# Altium PCB openservo_tessellated.PcbDoc (part 8 of 13)
Units mm, origin at the board's own origin, x right, y up, seen from the top; angles counter-clockwise.
Board outline 225 x 202.5 mm, 2 copper layers (Top Layer, Bottom Layer); 1250 components, 19 nets, 5300 pads, 1100 vias.
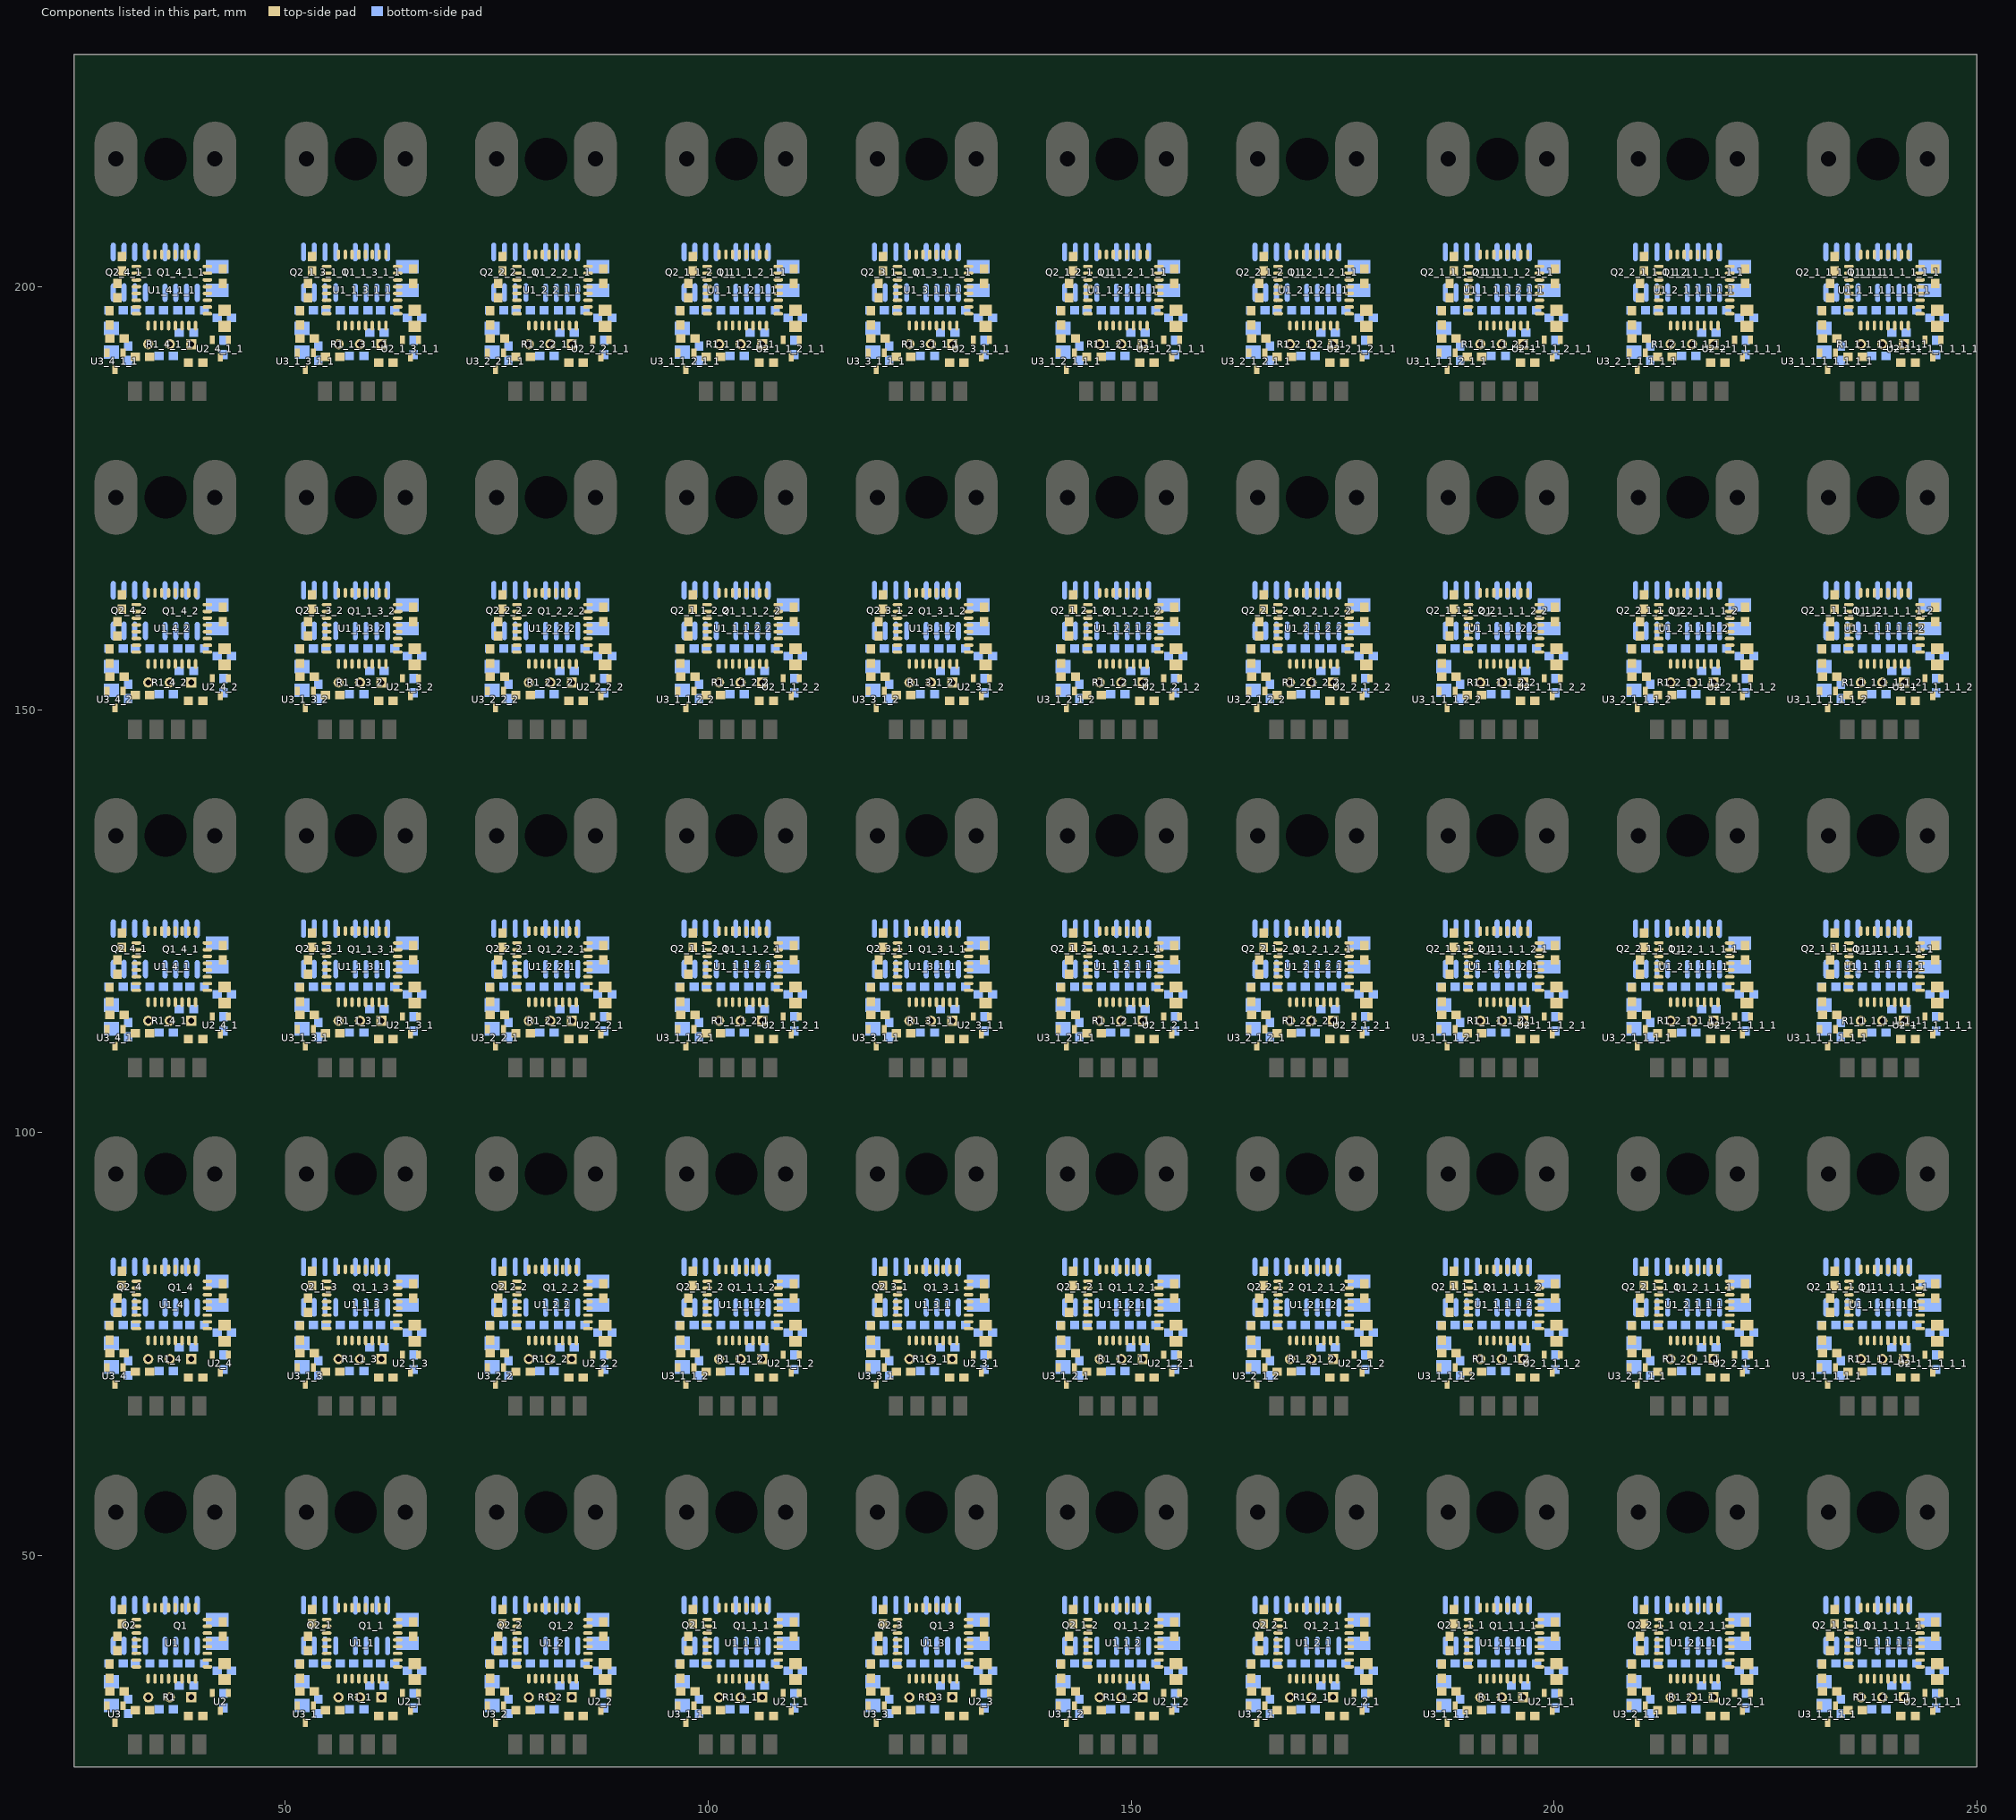
[diagram p8: the components of this part, seen from the top]

## Via types
v1: diameter 0.762, hole 0.35, Top Layer to Bottom Layer, 1000 vias
v2: diameter 1.27, hole 0.7, Top Layer to Bottom Layer, 100 vias

## Nets (pads, with @x,y where several pads share a name; then routed paths per layer and width w, separated by ;. In a path a pad name is that pad's centre, name@x,y a point inside that pad or via, vN(x,y) a via of type N, cw(c..) or ccw(c..) an arc to the next point about the centre after c; other vN are vias at no path point) (continued)
copper on no net: (continued)
  Top Layer w0.254: 194.476,75.424 194.476,74.779 194.733,74.522 197.171,74.522 197.72,73.973 197.72,71.039 197.72,70.062 198.521,69.261 199.689,69.261 v1(200.553,70.124) ; 194.476,115.424 194.476,114.779 194.733,114.522 197.171,114.522 197.72,113.973 197.72,111.039 197.72,110.062 198.521,109.261 199.689,109.261 v1(200.553,110.124) ; 194.476,155.424 194.476,154.779 194.733,154.522 197.171,154.522 197.72,153.973 197.72,151.039 197.72,150.062 198.521,149.261 199.689,149.261 v1(200.553,150.124) ; 194.476,195.424 194.476,194.779 194.733,194.522 197.171,194.522 197.72,193.973 197.72,191.039 197.72,190.062 198.521,189.261 199.689,189.261 v1(200.553,190.124) ; 196.02,31.039 196.02,33.034 196.337,33.35 ; 196.02,71.039 196.02,73.034 196.337,73.35 ; 196.02,111.039 196.02,113.034 196.337,113.35 ; 196.02,151.039 196.02,153.034 196.337,153.35 ; 196.02,191.039 196.02,193.034 196.337,193.35 ; v1(198.038,35.585) 198.369,35.585 200.004,37.221 200.299,37.221 ; v1(198.038,75.585) 198.369,75.585 200.004,77.221 200.299,77.221 ; v1(198.038,115.585) 198.369,115.585 200.004,117.221 200.299,117.221 ; v1(198.038,155.585) 198.369,155.585 200.004,157.221 200.299,157.221 ; v1(198.038,195.585) 198.369,195.585 200.004,197.221 200.299,197.221 ; 198.244,40.056 198.276,40.024 196.895,40.024 ; 198.244,80.056 198.276,80.024 196.895,80.024 ; 198.244,120.056 198.276,120.024 196.895,120.024 ; 198.244,160.056 198.276,160.024 196.895,160.024 ; 198.244,200.056 198.276,200.024 196.895,200.024 ; 198.276,38.424 197.232,38.424 196.895,38.76 196.895,40.024 ; 198.276,39.224 200.28,39.224 ; 198.276,40.824 199.697,40.824 200.096,40.425 200.299,40.222 ; 198.276,78.424 197.232,78.424 196.895,78.76 196.895,80.024 ; 198.276,79.224 200.28,79.224 ; 198.276,80.824 199.697,80.824 200.096,80.425 200.299,80.222 ; 198.276,118.424 197.232,118.424 196.895,118.76 196.895,120.024 ; 198.276,119.224 200.28,119.224 ; 198.276,120.824 199.697,120.824 200.096,120.425 200.299,120.222 ; 198.276,158.424 197.232,158.424 196.895,158.76 196.895,160.024 ; 198.276,159.224 200.28,159.224 ; 198.276,160.824 199.697,160.824 200.096,160.425 200.299,160.222 ; 198.276,198.424 197.232,198.424 196.895,198.76 196.895,200.024 ; 198.276,199.224 200.28,199.224 ; 198.276,200.824 199.697,200.824 200.096,200.425 200.299,200.222 ; 199.054,55.016 199.156,55.118 ; 199.054,95.016 199.156,95.118 ; 199.054,135.016 199.156,135.118 ; 199.054,175.016 199.156,175.118 ; 199.054,215.016 199.156,215.118 ; 200.741,33.74 200.741,34.879 ; 200.741,73.74 200.741,74.879 ; 200.741,113.74 200.741,114.879 ; 200.741,153.74 200.741,154.879 ; 200.741,193.74 200.741,194.879 ; v1(201.417,43.866) 198.346,43.866 196.895,42.416 196.895,40.024 ; v1(201.417,83.866) 198.346,83.866 196.895,82.416 196.895,80.024 ; v1(201.417,123.866) 198.346,123.866 196.895,122.416 196.895,120.024 ; v1(201.417,163.866) 198.346,163.866 196.895,162.416 196.895,160.024 ; v1(201.417,203.866) 198.346,203.866 196.895,202.416 196.895,200.024 ; v1(207.813,43.764) 208.118,43.764 209.391,45.037 213.931,45.037 214.576,44.393 214.576,43.824 ; v1(207.813,83.764) 208.118,83.764 209.391,85.037 213.931,85.037 214.576,84.393 214.576,83.824 ; v1(207.813,123.764) 208.118,123.764 209.391,125.037 213.931,125.037 214.576,124.393 214.576,123.824 ; v1(207.813,163.764) 208.118,163.764 209.391,165.037 213.931,165.037 214.576,164.393 214.576,163.824 ; v1(207.813,203.764) 208.118,203.764 209.391,205.037 213.931,205.037 214.576,204.393 214.576,203.824 ; v1(208.854,41.935) 208.854,42.24 210.212,43.598 210.658,43.598 211.601,42.655 211.601,41.881 211.858,41.624 212.376,41.624 ; v1(208.854,81.935) 208.854,82.24 210.212,83.598 210.658,83.598 211.601,82.655 211.601,81.881 211.858,81.624 212.376,81.624 ; v1(208.854,121.935) 208.854,122.24 210.212,123.598 210.658,123.598 211.601,122.655 211.601,121.881 211.858,121.624 212.376,121.624 ; v1(208.854,161.935) 208.854,162.24 210.212,163.598 210.658,163.598 211.601,162.655 211.601,161.881 211.858,161.624 212.376,161.624 ; v1(208.854,201.935) 208.854,202.24 210.212,203.598 210.658,203.598 211.601,202.655 211.601,201.881 211.858,201.624 212.376,201.624 ; 209.21,35.472 209.503,35.472 211.655,37.624 212.376,37.624 ; 209.21,75.472 209.503,75.472 211.655,77.624 212.376,77.624 ; 209.21,115.472 209.503,115.472 211.655,117.624 212.376,117.624 ; 209.21,155.472 209.503,155.472 211.655,157.624 212.376,157.624 ; 209.21,195.472 209.503,195.472 211.655,197.624 212.376,197.624 ; 209.224,33.909 209.845,33.288 209.845,30.217 210.642,31.013 211.535,31.013 212.246,31.725 ; 209.224,73.909 209.845,73.288 209.845,70.217 210.642,71.013 211.535,71.013 212.246,71.725 ; 209.224,113.909 209.845,113.288 209.845,110.217 210.642,111.013 211.535,111.013 212.246,111.725 ; 209.224,153.909 209.845,153.288 209.845,150.217 210.642,151.013 211.535,151.013 212.246,151.725 ; 209.224,193.909 209.845,193.288 209.845,190.217 210.642,191.013 211.535,191.013 212.246,191.725 ; 209.513,35.624 211.076,34.061 ; 209.513,75.624 211.076,74.061 ; 209.513,115.624 211.076,114.061 ; 209.513,155.624 211.076,154.061 ; 209.513,195.624 211.076,194.061 ; 209.574,44.306 209.599,44.306 207.788,42.495 207.788,29.997 208.449,29.336 210.631,29.336 v1(210.963,29.667) ; 209.574,84.306 209.599,84.306 207.788,82.495 207.788,69.997 208.449,69.336 210.631,69.336 v1(210.963,69.667) ; 209.574,124.306 209.599,124.306 207.788,122.495 207.788,109.997 208.449,109.336 210.631,109.336 v1(210.963,109.667) ; 209.574,164.306 209.599,164.306 207.788,162.495 207.788,149.997 208.449,149.336 210.631,149.336 v1(210.963,149.667) ; 209.574,204.306 209.599,204.306 207.788,202.495 207.788,189.997 208.449,189.336 210.631,189.336 v1(210.963,189.667) ; 209.599,44.306 209.822,44.529 213.071,44.529 213.776,43.824 ; 209.599,84.306 209.822,84.529 213.071,84.529 213.776,83.824 ; 209.599,124.306 209.822,124.529 213.071,124.529 213.776,123.824 ; 209.599,164.306 209.822,164.529 213.071,164.529 213.776,163.824 ; 209.599,204.306 209.822,204.529 213.071,204.529 213.776,203.824 ; 210.15,38.723 210.24,38.723 211.54,40.024 212.376,40.024 ; 210.15,78.723 210.24,78.723 211.54,80.024 212.376,80.024 ; 210.15,118.723 210.24,118.723 211.54,120.024 212.376,120.024 ; 210.15,158.723 210.24,158.723 211.54,160.024 212.376,160.024 ; 210.15,198.723 210.24,198.723 211.54,200.024 212.376,200.024 ; 210.658,41.898 210.15,41.39 210.15,40.423 210.123,40.45 209.706,40.45 209.21,39.954 209.21,37.172 210.485,37.172 211.242,37.929 211.242,38.633 211.833,39.224 212.376,39.224 213.115,39.224 213.506,38.833 213.506,36.527 212.995,36.015 212.995,34.969 213.833,34.13 213.833,33.274 ; 210.658,81.898 210.15,81.39 210.15,80.423 210.123,80.45 209.706,80.45 209.21,79.954 209.21,77.172 210.485,77.172 211.242,77.929 211.242,78.633 211.833,79.224 212.376,79.224 213.115,79.224 213.506,78.833 213.506,76.527 212.995,76.015 212.995,74.969 213.833,74.13 213.833,73.274 ; 210.658,121.898 210.15,121.39 210.15,120.423 210.123,120.45 209.706,120.45 209.21,119.954 209.21,117.172 210.485,117.172 211.242,117.929 211.242,118.633 211.833,119.224 212.376,119.224 213.115,119.224 213.506,118.833 213.506,116.527 212.995,116.015 212.995,114.969 213.833,114.13 213.833,113.274 ; 210.658,161.898 210.15,161.39 210.15,160.423 210.123,160.45 209.706,160.45 209.21,159.954 209.21,157.172 210.485,157.172 211.242,157.929 211.242,158.633 211.833,159.224 212.376,159.224 213.115,159.224 213.506,158.833 213.506,156.527 212.995,156.015 212.995,154.969 213.833,154.13 213.833,153.274 ; 210.658,201.898 210.15,201.39 210.15,200.423 210.123,200.45 209.706,200.45 209.21,199.954 209.21,197.172 210.485,197.172 211.242,197.929 211.242,198.633 211.833,199.224 212.376,199.224 213.115,199.224 213.506,198.833 213.506,196.527 212.995,196.015 212.995,194.969 213.833,194.13 213.833,193.274 ; 210.795,32.217 211.099,32.217 211.855,32.972 211.855,34.947 v1(211.191,35.611) ; 210.795,72.217 211.099,72.217 211.855,72.972 211.855,74.947 v1(211.191,75.611) ; 210.795,112.217 211.099,112.217 211.855,112.972 211.855,114.947 v1(211.191,115.611) ; 210.795,152.217 211.099,152.217 211.855,152.972 211.855,154.947 v1(211.191,155.611) ; 210.795,192.217 211.099,192.217 211.855,192.972 211.855,194.947 v1(211.191,195.611) ; 212.182,27.661 212.182,28.09 215.341,31.249 215.341,33.63 215.535,33.823 215.535,34.919 215.376,35.077 215.376,35.424 ; 212.182,67.661 212.182,68.09 215.341,71.249 215.341,73.63 215.535,73.823 215.535,74.919 215.376,75.077 215.376,75.424 ; 212.182,107.661 212.182,108.09 215.341,111.249 215.341,113.63 215.535,113.823 215.535,114.919 215.376,115.077 215.376,115.424 ; 212.182,147.661 212.182,148.09 215.341,151.249 215.341,153.63 215.535,153.823 215.535,154.919 215.376,155.077 215.376,155.424 ; 212.182,187.661 212.182,188.09 215.341,191.249 215.341,193.63 215.535,193.823 215.535,194.919 215.376,195.077 215.376,195.424 ; 212.376,36.824 212.376,34.68 212.741,34.315 212.741,34.265 v1(212.639,34.163) ; 212.376,42.424 212.948,42.424 214.014,41.358 214.014,38.39 216.176,36.229 216.176,35.424 216.176,34.858 217.363,33.671 217.363,30.277 217.897,29.743 219.167,29.743 219.802,29.108 219.802,27.661 ; 212.376,76.824 212.376,74.68 212.741,74.315 212.741,74.265 v1(212.639,74.163) ; 212.376,82.424 212.948,82.424 214.014,81.358 214.014,78.39 216.176,76.229 216.176,75.424 216.176,74.858 217.363,73.671 217.363,70.277 217.897,69.743 219.167,69.743 219.802,69.108 219.802,67.661 ; 212.376,116.824 212.376,114.68 212.741,114.315 212.741,114.265 v1(212.639,114.163) ; 212.376,122.424 212.948,122.424 214.014,121.358 214.014,118.39 216.176,116.229 216.176,115.424 216.176,114.858 217.363,113.671 217.363,110.277 217.897,109.743 219.167,109.743 219.802,109.108 219.802,107.661 ; 212.376,156.824 212.376,154.68 212.741,154.315 212.741,154.265 v1(212.639,154.163) ; 212.376,162.424 212.948,162.424 214.014,161.358 214.014,158.39 216.176,156.229 216.176,155.424 216.176,154.858 217.363,153.671 217.363,150.277 217.897,149.743 219.167,149.743 219.802,149.108 219.802,147.661 ; 212.376,196.824 212.376,194.68 212.741,194.315 212.741,194.265 v1(212.639,194.163) ; 212.376,202.424 212.948,202.424 214.014,201.358 214.014,198.39 216.176,196.229 216.176,195.424 216.176,194.858 217.363,193.671 217.363,190.277 217.897,189.743 219.167,189.743 219.802,189.108 219.802,187.661 ; v1(212.512,30.201) 213.122,30.201 213.946,31.025 213.946,33.161 213.833,33.274 ; v1(212.512,70.201) 213.122,70.201 213.946,71.025 213.946,73.161 213.833,73.274 ; v1(212.512,110.201) 213.122,110.201 213.946,111.025 213.946,113.161 213.833,113.274 ; v1(212.512,150.201) 213.122,150.201 213.946,151.025 213.946,153.161 213.833,153.274 ; v1(212.512,190.201) 213.122,190.201 213.946,191.025 213.946,193.161 213.833,193.274 ; 213.757,33.35 213.833,33.274 ; 213.757,73.35 213.833,73.274 ; 213.757,113.35 213.833,113.274 ; 213.757,153.35 213.833,153.274 ; 213.757,193.35 213.833,193.274 ; 213.776,35.424 213.776,34.906 214.417,34.265 214.722,34.265 214.797,34.189 214.797,34.188 v1(214.773,34.163) ; 213.776,75.424 213.776,74.906 214.417,74.265 214.722,74.265 214.797,74.189 214.797,74.188 v1(214.773,74.163) ; 213.776,115.424 213.776,114.906 214.417,114.265 214.722,114.265 214.797,114.189 214.797,114.188 v1(214.773,114.163) ; 213.776,155.424 213.776,154.906 214.417,154.265 214.722,154.265 214.797,154.189 214.797,154.188 v1(214.773,154.163) ; 213.776,195.424 213.776,194.906 214.417,194.265 214.722,194.265 214.797,194.189 214.797,194.188 v1(214.773,194.163) ; v1(214.106,42.376) 214.129,42.376 214.671,41.834 214.671,38.811 v1(214.798,38.811) ; v1(214.106,82.376) 214.129,82.376 214.671,81.834 214.671,78.811 v1(214.798,78.811) ; v1(214.106,122.376) 214.129,122.376 214.671,121.834 214.671,118.811 v1(214.798,118.811) ; v1(214.106,162.376) 214.129,162.376 214.671,161.834 214.671,158.811 v1(214.798,158.811) ; v1(214.106,202.376) 214.129,202.376 214.671,201.834 214.671,198.811 v1(214.798,198.811) ; 215.376,43.824 215.376,42.881 v1(216.347,41.91) ; 215.376,83.824 215.376,82.881 v1(216.347,81.91) ; 215.376,123.824 215.376,122.881 v1(216.347,121.91) ; 215.376,163.824 215.376,162.881 v1(216.347,161.91) ; 215.376,203.824 215.376,202.881 v1(216.347,201.91) ; v1@215.408,30.328 215.458,30.378 v1(215.611,30.378) ; v1@215.408,70.328 215.458,70.378 v1(215.611,70.378) ; v1@215.408,110.328 215.458,110.378 v1(215.611,110.378) ; v1@215.408,150.328 215.458,150.378 v1(215.611,150.378) ; v1@215.408,190.328 215.458,190.378 v1(215.611,190.378) ; 216.176,43.824 216.176,43.252 216.734,42.694 217.57,42.694 218.28,41.984 v1@218.28,41.148 ; 216.176,83.824 216.176,83.252 216.734,82.694 217.57,82.694 218.28,81.984 v1@218.28,81.148 ; 216.176,123.824 216.176,123.252 216.734,122.694 217.57,122.694 218.28,121.984 v1@218.28,121.148 ; 216.176,163.824 216.176,163.252 216.734,162.694 217.57,162.694 218.28,161.984 v1@218.28,161.148 ; 216.176,203.824 216.176,203.252 216.734,202.694 217.57,202.694 218.28,201.984 v1@218.28,201.148 ; 216.976,35.424 216.976,34.779 217.233,34.522 219.671,34.522 220.22,33.973 220.22,31.039 220.22,30.062 221.021,29.261 222.189,29.261 v1(223.053,30.124) ; 216.976,75.424 216.976,74.779 217.233,74.522 219.671,74.522 220.22,73.973 220.22,71.039 220.22,70.062 221.021,69.261 222.189,69.261 v1(223.053,70.124) ; 216.976,115.424 216.976,114.779 217.233,114.522 219.671,114.522 220.22,113.973 220.22,111.039 220.22,110.062 221.021,109.261 222.189,109.261 v1(223.053,110.124) ; 216.976,155.424 216.976,154.779 217.233,154.522 219.671,154.522 220.22,153.973 220.22,151.039 220.22,150.062 221.021,149.261 222.189,149.261 v1(223.053,150.124) ; 216.976,195.424 216.976,194.779 217.233,194.522 219.671,194.522 220.22,193.973 220.22,191.039 220.22,190.062 221.021,189.261 222.189,189.261 v1(223.053,190.124) ; 218.52,31.039 218.52,33.034 218.837,33.35 ; 218.52,71.039 218.52,73.034 218.837,73.35 ; 218.52,111.039 218.52,113.034 218.837,113.35 ; 218.52,151.039 218.52,153.034 218.837,153.35 ; 218.52,191.039 218.52,193.034 218.837,193.35 ; v1(220.538,35.585) 220.869,35.585 222.504,37.221 222.799,37.221 ; v1(220.538,75.585) 220.869,75.585 222.504,77.221 222.799,77.221 ; v1(220.538,115.585) 220.869,115.585 222.504,117.221 222.799,117.221 ; v1(220.538,155.585) 220.869,155.585 222.504,157.221 222.799,157.221 ; v1(220.538,195.585) 220.869,195.585 222.504,197.221 222.799,197.221 ; 220.744,40.056 220.776,40.024 219.395,40.024 ; 220.744,80.056 220.776,80.024 219.395,80.024 ; 220.744,120.056 220.776,120.024 219.395,120.024 ; 220.744,160.056 220.776,160.024 219.395,160.024 ; 220.744,200.056 220.776,200.024 219.395,200.024 ; 220.776,38.424 219.732,38.424 219.395,38.76 219.395,40.024 ; 220.776,39.224 222.78,39.224 ; 220.776,40.824 222.197,40.824 222.596,40.425 222.799,40.222 ; 220.776,78.424 219.732,78.424 219.395,78.76 219.395,80.024 ; 220.776,79.224 222.78,79.224 ; 220.776,80.824 222.197,80.824 222.596,80.425 222.799,80.222 ; 220.776,118.424 219.732,118.424 219.395,118.76 219.395,120.024 ; 220.776,119.224 222.78,119.224 ; 220.776,120.824 222.197,120.824 222.596,120.425 222.799,120.222 ; 220.776,158.424 219.732,158.424 219.395,158.76 219.395,160.024 ; 220.776,159.224 222.78,159.224 ; 220.776,160.824 222.197,160.824 222.596,160.425 222.799,160.222 ; 220.776,198.424 219.732,198.424 219.395,198.76 219.395,200.024 ; 220.776,199.224 222.78,199.224 ; 220.776,200.824 222.197,200.824 222.596,200.425 222.799,200.222 ; 221.554,55.016 221.656,55.118 ; 221.554,95.016 221.656,95.118 ; 221.554,135.016 221.656,135.118 ; 221.554,175.016 221.656,175.118 ; 221.554,215.016 221.656,215.118 ; 223.241,33.74 223.241,34.879 ; 223.241,73.74 223.241,74.879 ; 223.241,113.74 223.241,114.879 ; 223.241,153.74 223.241,154.879 ; 223.241,193.74 223.241,194.879 ; v1(223.917,43.866) 220.846,43.866 219.395,42.416 219.395,40.024 ; v1(223.917,83.866) 220.846,83.866 219.395,82.416 219.395,80.024 ; v1(223.917,123.866) 220.846,123.866 219.395,122.416 219.395,120.024 ; v1(223.917,163.866) 220.846,163.866 219.395,162.416 219.395,160.024 ; v1(223.917,203.866) 220.846,203.866 219.395,202.416 219.395,200.024 ; v1(230.313,43.764) 230.618,43.764 231.891,45.037 236.431,45.037 237.076,44.393 237.076,43.824 ; v1(230.313,83.764) 230.618,83.764 231.891,85.037 236.431,85.037 237.076,84.393 237.076,83.824 ; v1(230.313,123.764) 230.618,123.764 231.891,125.037 236.431,125.037 237.076,124.393 237.076,123.824 ; v1(230.313,163.764) 230.618,163.764 231.891,165.037 236.431,165.037 237.076,164.393 237.076,163.824 ; v1(230.313,203.764) 230.618,203.764 231.891,205.037 236.431,205.037 237.076,204.393 237.076,203.824 ; v1(231.354,41.935) 231.354,42.24 232.712,43.598 233.158,43.598 234.101,42.655 234.101,41.881 234.358,41.624 234.876,41.624 ; v1(231.354,81.935) 231.354,82.24 232.712,83.598 233.158,83.598 234.101,82.655 234.101,81.881 234.358,81.624 234.876,81.624 ; v1(231.354,121.935) 231.354,122.24 232.712,123.598 233.158,123.598 234.101,122.655 234.101,121.881 234.358,121.624 234.876,121.624 ; v1(231.354,161.935) 231.354,162.24 232.712,163.598 233.158,163.598 234.101,162.655 234.101,161.881 234.358,161.624 234.876,161.624 ; v1(231.354,201.935) 231.354,202.24 232.712,203.598 233.158,203.598 234.101,202.655 234.101,201.881 234.358,201.624 234.876,201.624 ; 231.71,35.472 232.003,35.472 234.155,37.624 234.876,37.624 ; 231.71,75.472 232.003,75.472 234.155,77.624 234.876,77.624 ; 231.71,115.472 232.003,115.472 234.155,117.624 234.876,117.624 ; 231.71,155.472 232.003,155.472 234.155,157.624 234.876,157.624 ; 231.71,195.472 232.003,195.472 234.155,197.624 234.876,197.624 ; 231.724,33.909 232.345,33.288 232.345,30.217 233.142,31.013 234.035,31.013 234.746,31.725 ; 231.724,73.909 232.345,73.288 232.345,70.217 233.142,71.013 234.035,71.013 234.746,71.725 ; 231.724,113.909 232.345,113.288 232.345,110.217 233.142,111.013 234.035,111.013 234.746,111.725 ; 231.724,153.909 232.345,153.288 232.345,150.217 233.142,151.013 234.035,151.013 234.746,151.725 ; 231.724,193.909 232.345,193.288 232.345,190.217 233.142,191.013 234.035,191.013 234.746,191.725 ; 232.013,35.624 233.576,34.061 ; 232.013,75.624 233.576,74.061 ; 232.013,115.624 233.576,114.061 ; 232.013,155.624 233.576,154.061 ; 232.013,195.624 233.576,194.061 ; 232.074,44.306 232.099,44.306 230.288,42.495 230.288,29.997 230.949,29.336 233.131,29.336 v1(233.463,29.667) ; 232.074,84.306 232.099,84.306 230.288,82.495 230.288,69.997 230.949,69.336 233.131,69.336 v1(233.463,69.667) ; 232.074,124.306 232.099,124.306 230.288,122.495 230.288,109.997 230.949,109.336 233.131,109.336 v1(233.463,109.667) ; 232.074,164.306 232.099,164.306 230.288,162.495 230.288,149.997 230.949,149.336 233.131,149.336 v1(233.463,149.667) ; 232.074,204.306 232.099,204.306 ; 232.099,44.306 232.322,44.529 235.571,44.529 236.276,43.824 ; 232.099,84.306 232.322,84.529 235.571,84.529 236.276,83.824 ; 232.099,124.306 232.322,124.529 235.571,124.529 236.276,123.824 ; 232.099,164.306 232.322,164.529 235.571,164.529 236.276,163.824 ; 232.65,38.723 232.74,38.723 234.04,40.024 234.876,40.024 ; 232.65,78.723 232.74,78.723 234.04,80.024 234.876,80.024 ; 232.65,118.723 232.74,118.723 234.04,120.024 234.876,120.024 ; 232.65,158.723 232.74,158.723 234.04,160.024 234.876,160.024 ; 232.65,198.723 232.74,198.723 234.04,200.024 234.876,200.024 ; 233.158,41.898 232.65,41.39 232.65,40.423 232.623,40.45 232.206,40.45 231.71,39.954 231.71,37.172 232.985,37.172 233.742,37.929 233.742,38.633 234.333,39.224 234.876,39.224 235.615,39.224 236.006,38.833 236.006,36.527 235.495,36.015 235.495,34.969 236.333,34.13 236.333,33.274 ; 233.158,81.898 232.65,81.39 232.65,80.423 232.623,80.45 232.206,80.45 231.71,79.954 231.71,77.172 232.985,77.172 233.742,77.929 233.742,78.633 234.333,79.224 234.876,79.224 235.615,79.224 236.006,78.833 236.006,76.527 235.495,76.015 235.495,74.969 236.333,74.13 236.333,73.274 ; 233.158,121.898 232.65,121.39 232.65,120.423 232.623,120.45 232.206,120.45 231.71,119.954 231.71,117.172 232.985,117.172 233.742,117.929 233.742,118.633 234.333,119.224 234.876,119.224 235.615,119.224 236.006,118.833 236.006,116.527 235.495,116.015 235.495,114.969 236.333,114.13 236.333,113.274 ; 233.158,161.898 232.65,161.39 232.65,160.423 232.623,160.45 232.206,160.45 231.71,159.954 231.71,157.172 232.985,157.172 233.742,157.929 233.742,158.633 234.333,159.224 234.876,159.224 235.615,159.224 236.006,158.833 236.006,156.527 235.495,156.015 235.495,154.969 236.333,154.13 236.333,153.274 ; 233.158,201.898 232.65,201.39 232.65,200.423 232.623,200.45 232.206,200.45 231.71,199.954 231.71,197.172 232.985,197.172 233.742,197.929 233.742,198.633 234.333,199.224 234.876,199.224 235.615,199.224 236.006,198.833 236.006,196.527 235.495,196.015 235.495,194.969 236.333,194.13 236.333,193.274 ; 233.295,32.217 233.599,32.217 234.355,32.972 234.355,34.947 v1(233.691,35.611) ; 233.295,72.217 233.599,72.217 234.355,72.972 234.355,74.947 v1(233.691,75.611) ; 233.295,112.217 233.599,112.217 234.355,112.972 234.355,114.947 v1(233.691,115.611) ; 233.295,152.217 233.599,152.217 234.355,152.972 234.355,154.947 v1(233.691,155.611) ; 233.295,192.217 233.599,192.217 234.355,192.972 234.355,194.947 v1(233.691,195.611) ; v1(233.463,189.667) 233.131,189.336 230.949,189.336 230.288,189.997 230.288,202.495 232.099,204.306 ; 234.682,27.661 234.682,28.09 237.841,31.249 237.841,33.63 238.035,33.823 238.035,34.919 237.876,35.077 237.876,35.424 ; 234.682,67.661 234.682,68.09 237.841,71.249 237.841,73.63 238.035,73.823 238.035,74.919 237.876,75.077 237.876,75.424 ; 234.682,107.661 234.682,108.09 237.841,111.249 237.841,113.63 238.035,113.823 238.035,114.919 237.876,115.077 237.876,115.424 ; 234.682,147.661 234.682,148.09 237.841,151.249 237.841,153.63 238.035,153.823 238.035,154.919 237.876,155.077 237.876,155.424 ; 234.682,187.661 234.682,188.09 237.841,191.249 237.841,193.63 238.035,193.823 238.035,194.919 237.876,195.077 237.876,195.424 ; 234.876,36.824 234.876,34.68 235.241,34.315 235.241,34.265 v1(235.139,34.163) ; 234.876,42.424 235.448,42.424 236.514,41.358 236.514,38.39 238.676,36.229 238.676,35.424 238.676,34.858 239.863,33.671 239.863,30.277 240.397,29.743 241.667,29.743 242.302,29.108 242.302,27.661 ; 234.876,76.824 234.876,74.68 235.241,74.315 235.241,74.265 v1(235.139,74.163) ; 234.876,82.424 235.448,82.424 236.514,81.358 236.514,78.39 238.676,76.229 238.676,75.424 238.676,74.858 239.863,73.671 239.863,70.277 240.397,69.743 241.667,69.743 242.302,69.108 242.302,67.661 ; 234.876,116.824 234.876,114.68 235.241,114.315 235.241,114.265 v1(235.139,114.163) ; 234.876,122.424 235.448,122.424 236.514,121.358 236.514,118.39 238.676,116.229 238.676,115.424 238.676,114.858 239.863,113.671 239.863,110.277 240.397,109.743 241.667,109.743 242.302,109.108 242.302,107.661 ; 234.876,156.824 234.876,154.68 235.241,154.315 235.241,154.265 v1(235.139,154.163) ; 234.876,162.424 235.448,162.424 236.514,161.358 236.514,158.39 238.676,156.229 238.676,155.424 238.676,154.858 239.863,153.671 239.863,150.277 240.397,149.743 241.667,149.743 242.302,149.108 242.302,147.661 ; 234.876,196.824 234.876,194.68 235.241,194.315 235.241,194.265 v1(235.139,194.163) ; 234.876,202.424 235.448,202.424 236.514,201.358 236.514,198.39 238.676,196.229 238.676,195.424 238.676,194.858 239.863,193.671 239.863,190.277 240.397,189.743 241.667,189.743 242.302,189.108 242.302,187.661 ; v1(235.012,30.201) 235.622,30.201 236.446,31.025 236.446,33.161 236.333,33.274 ; v1(235.012,70.201) 235.622,70.201 236.446,71.025 236.446,73.161 236.333,73.274 ; v1(235.012,110.201) 235.622,110.201 236.446,111.025 236.446,113.161 236.333,113.274 ; v1(235.012,150.201) 235.622,150.201 236.446,151.025 236.446,153.161 236.333,153.274 ; v1(235.012,190.201) 235.622,190.201 236.446,191.025 236.446,193.161 236.333,193.274 ; 236.257,33.35 236.333,33.274 ; 236.257,73.35 236.333,73.274 ; 236.257,113.35 236.333,113.274 ; 236.257,153.35 236.333,153.274 ; 236.257,193.35 236.333,193.274 ; 236.276,35.424 236.276,34.906 236.917,34.265 237.222,34.265 237.297,34.189 237.297,34.188 v1(237.273,34.163) ; 236.276,75.424 236.276,74.906 236.917,74.265 237.222,74.265 237.297,74.189 237.297,74.188 v1(237.273,74.163) ; 236.276,115.424 236.276,114.906 236.917,114.265 237.222,114.265 237.297,114.189 237.297,114.188 v1(237.273,114.163) ; 236.276,155.424 236.276,154.906 236.917,154.265 237.222,154.265 237.297,154.189 237.297,154.188 v1(237.273,154.163) ; 236.276,195.424 236.276,194.906 236.917,194.265 237.222,194.265 237.297,194.189 237.297,194.188 v1(237.273,194.163) ; 236.276,203.824 235.571,204.529 232.322,204.529 232.099,204.306 ; v1(236.606,42.376) 236.629,42.376 237.171,41.834 237.171,38.811 v1(237.298,38.811) ; v1(236.606,82.376) 236.629,82.376 237.171,81.834 237.171,78.811 v1(237.298,78.811) ; v1(236.606,122.376) 236.629,122.376 237.171,121.834 237.171,118.811 v1(237.298,118.811) ; v1(236.606,162.376) 236.629,162.376 237.171,161.834 237.171,158.811 v1(237.298,158.811) ; v1(236.606,202.376) 236.629,202.376 237.171,201.834 237.171,198.811 v1(237.298,198.811) ; 237.876,43.824 237.876,42.881 v1(238.847,41.91) ; 237.876,83.824 237.876,82.881 v1(238.847,81.91) ; 237.876,123.824 237.876,122.881 v1(238.847,121.91) ; 237.876,163.824 237.876,162.881 v1(238.847,161.91) ; 237.876,203.824 237.876,202.881 v1(238.847,201.91) ; v1@237.908,30.328 237.958,30.378 v1(238.111,30.378) ; v1@237.908,70.328 237.958,70.378 v1(238.111,70.378) ; v1@237.908,110.328 237.958,110.378 v1(238.111,110.378) ; v1@237.908,150.328 237.958,150.378 v1(238.111,150.378) ; v1@237.908,190.328 237.958,190.378 v1(238.111,190.378) ; 238.676,43.824 238.676,43.252 239.234,42.694 240.07,42.694 240.78,41.984 v1@240.78,41.148 ; 238.676,83.824 238.676,83.252 239.234,82.694 240.07,82.694 240.78,81.984 v1@240.78,81.148 ; 238.676,123.824 238.676,123.252 239.234,122.694 240.07,122.694 240.78,121.984 v1@240.78,121.148 ; 238.676,163.824 238.676,163.252 239.234,162.694 240.07,162.694 240.78,161.984 v1@240.78,161.148 ; 238.676,203.824 238.676,203.252 239.234,202.694 240.07,202.694 240.78,201.984 v1@240.78,201.148 ; 239.476,35.424 239.476,34.779 239.733,34.522 242.171,34.522 242.72,33.973 242.72,31.039 242.72,30.062 243.521,29.261 244.689,29.261 v1(245.553,30.124) ; 239.476,75.424 239.476,74.779 239.733,74.522 242.171,74.522 242.72,73.973 242.72,71.039 242.72,70.062 243.521,69.261 244.689,69.261 v1(245.553,70.124) ; 239.476,115.424 239.476,114.779 239.733,114.522 242.171,114.522 242.72,113.973 242.72,111.039 242.72,110.062 243.521,109.261 244.689,109.261 v1(245.553,110.124) ; 239.476,155.424 239.476,154.779 239.733,154.522 242.171,154.522 242.72,153.973 242.72,151.039 242.72,150.062 243.521,149.261 244.689,149.261 v1(245.553,150.124) ; 239.476,195.424 239.476,194.779 239.733,194.522 242.171,194.522 242.72,193.973 242.72,191.039 242.72,190.062 243.521,189.261 244.689,189.261 v1(245.553,190.124) ; 241.02,31.039 241.02,33.034 241.337,33.35 ; 241.02,71.039 241.02,73.034 241.337,73.35 ; 241.02,111.039 241.02,113.034 241.337,113.35 ; 241.02,151.039 241.02,153.034 241.337,153.35 ; 241.02,191.039 241.02,193.034 241.337,193.35 ; v1(243.038,35.585) 243.369,35.585 245.004,37.221 245.299,37.221 ; v1(243.038,75.585) 243.369,75.585 245.004,77.221 245.299,77.221 ; v1(243.038,115.585) 243.369,115.585 245.004,117.221 245.299,117.221 ; v1(243.038,155.585) 243.369,155.585 245.004,157.221 245.299,157.221 ; v1(243.038,195.585) 243.369,195.585 245.004,197.221 245.299,197.221 ; 243.244,40.056 243.276,40.024 241.895,40.024 ; 243.244,80.056 243.276,80.024 241.895,80.024 ; 243.244,120.056 243.276,120.024 241.895,120.024 ; 243.244,160.056 243.276,160.024 241.895,160.024 ; 243.244,200.056 243.276,200.024 241.895,200.024 ; 243.276,38.424 242.232,38.424 241.895,38.76 241.895,40.024 ; 243.276,39.224 245.28,39.224 ; 243.276,40.824 244.697,40.824 245.096,40.425 245.299,40.222 ; 243.276,78.424 242.232,78.424 241.895,78.76 241.895,80.024 ; 243.276,79.224 245.28,79.224 ; 243.276,80.824 244.697,80.824 245.096,80.425 245.299,80.222 ; 243.276,118.424 242.232,118.424 241.895,118.76 241.895,120.024 ; 243.276,119.224 245.28,119.224 ; 243.276,120.824 244.697,120.824 245.096,120.425 245.299,120.222 ; 243.276,158.424 242.232,158.424 241.895,158.76 241.895,160.024 ; 243.276,159.224 245.28,159.224 ; 243.276,160.824 244.697,160.824 245.096,160.425 245.299,160.222 ; 243.276,198.424 242.232,198.424 241.895,198.76 241.895,200.024 ; 243.276,199.224 245.28,199.224 ; 243.276,200.824 244.697,200.824 245.096,200.425 245.299,200.222 ; 244.054,55.016 244.156,55.118 ; 244.054,95.016 244.156,95.118 ; 244.054,135.016 244.156,135.118 ; 244.054,175.016 244.156,175.118 ; 244.054,215.016 244.156,215.118 ; 245.741,33.74 245.741,34.879 ; 245.741,73.74 245.741,74.879 ; 245.741,113.74 245.741,114.879 ; 245.741,153.74 245.741,154.879 ; 245.741,193.74 245.741,194.879 ; v1(246.417,43.866) 243.346,43.866 241.895,42.416 241.895,40.024 ; v1(246.417,83.866) 243.346,83.866 241.895,82.416 241.895,80.024 ; v1(246.417,123.866) 243.346,123.866 241.895,122.416 241.895,120.024 ; v1(246.417,163.866) 243.346,163.866 241.895,162.416 241.895,160.024 ; v1(246.417,203.866) 243.346,203.866 241.895,202.416 241.895,200.024